# Altium PCB esp32-s3.PcbDoc
Units mil, origin at the board's own origin, x right, y up, seen from the top; angles counter-clockwise.
Board outline 1480.14 x 885.59 mil, 4 copper layers (Top Layer, GND, signal, Bottom Layer), stack 23.756 mil thick; 78 components, 92 nets, 350 pads, 273 vias.
Unrouted connection lines stored in the file: 184.
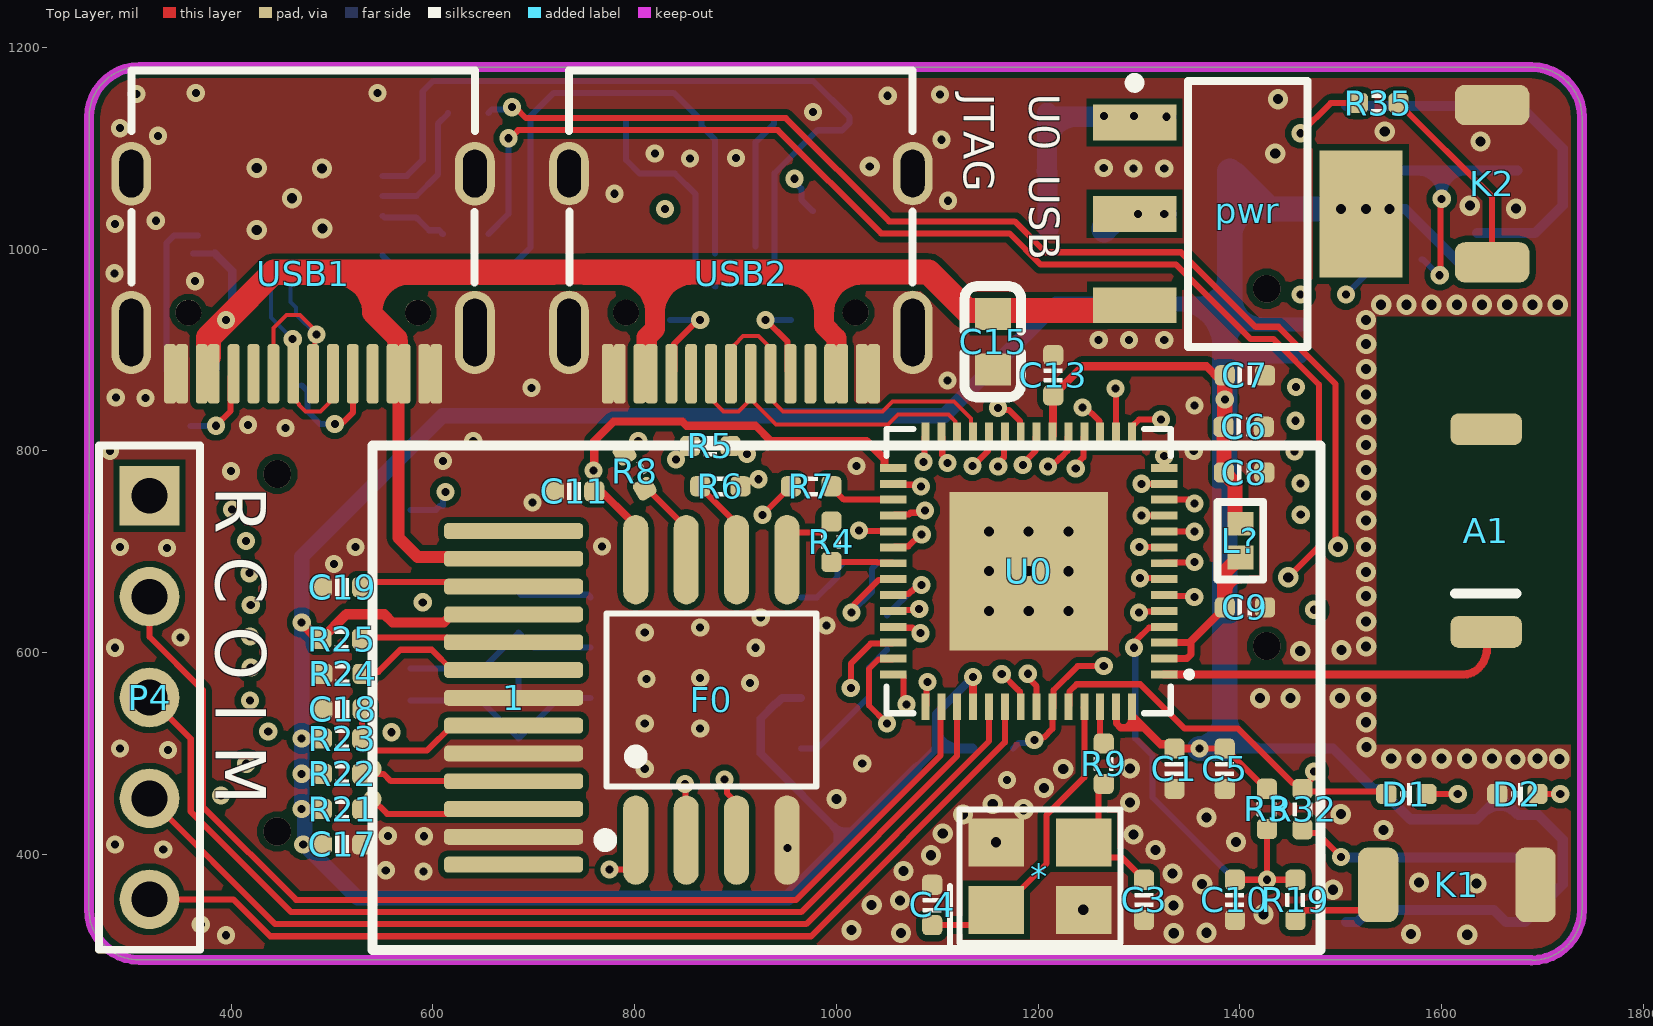
[diagram p0: Top Layer view]
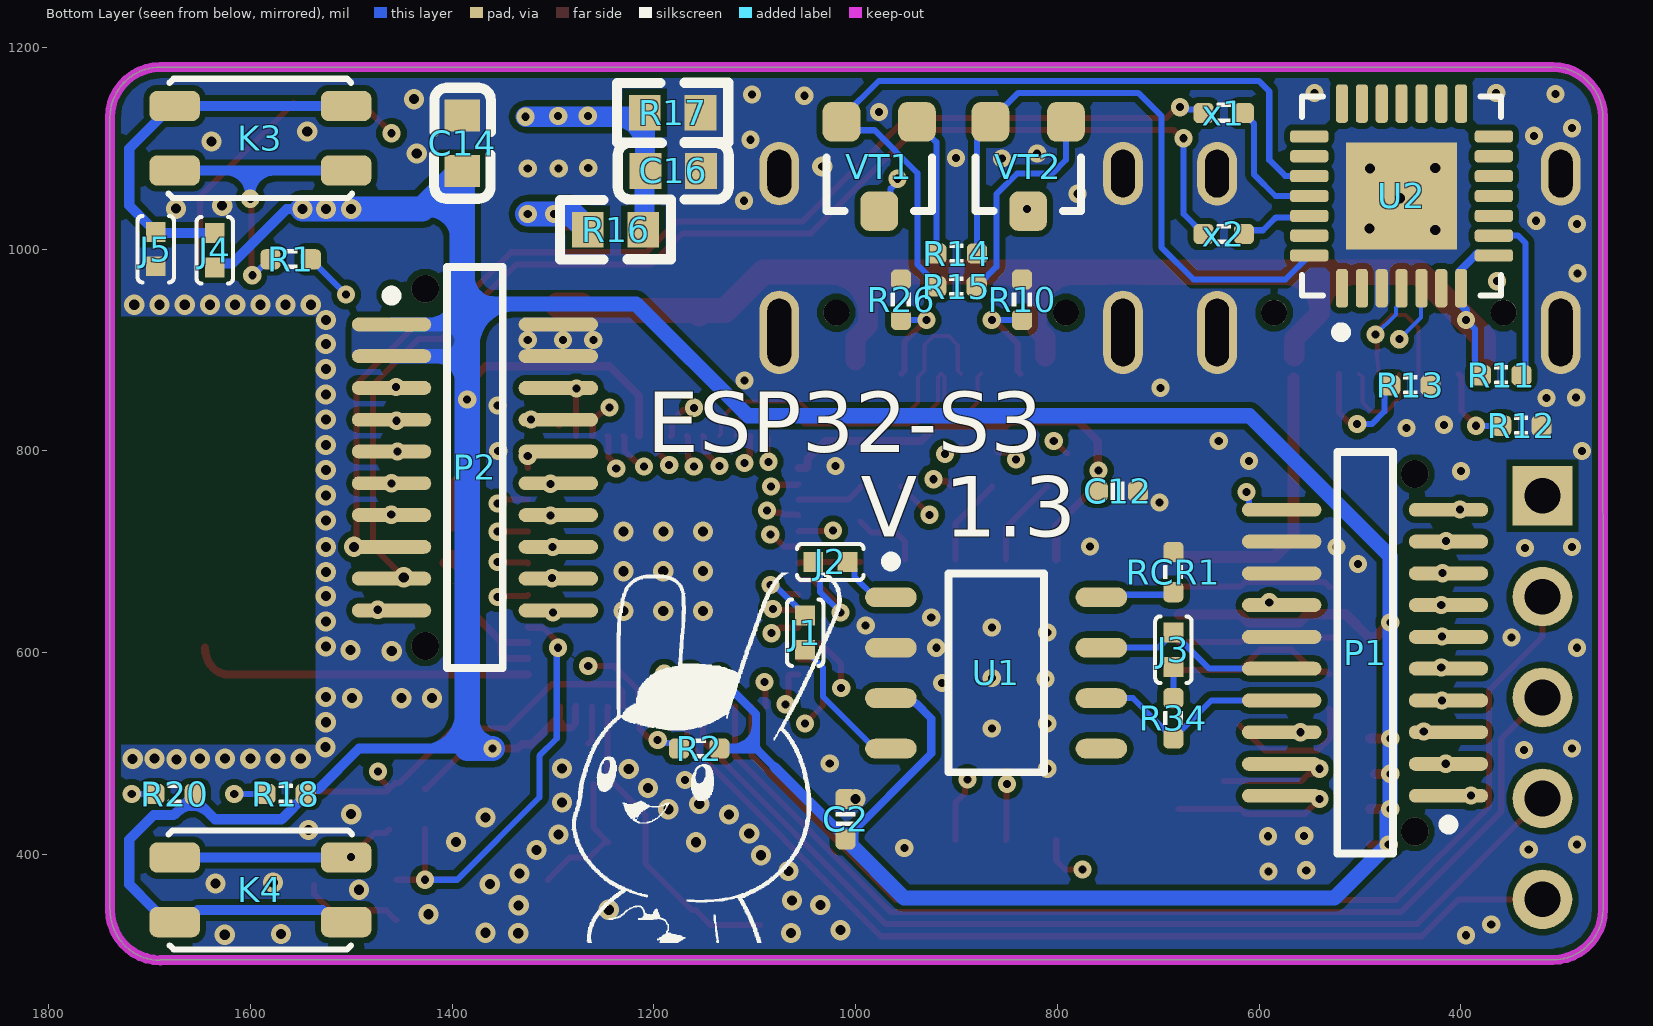
[diagram p1: Bottom Layer view, seen from below]
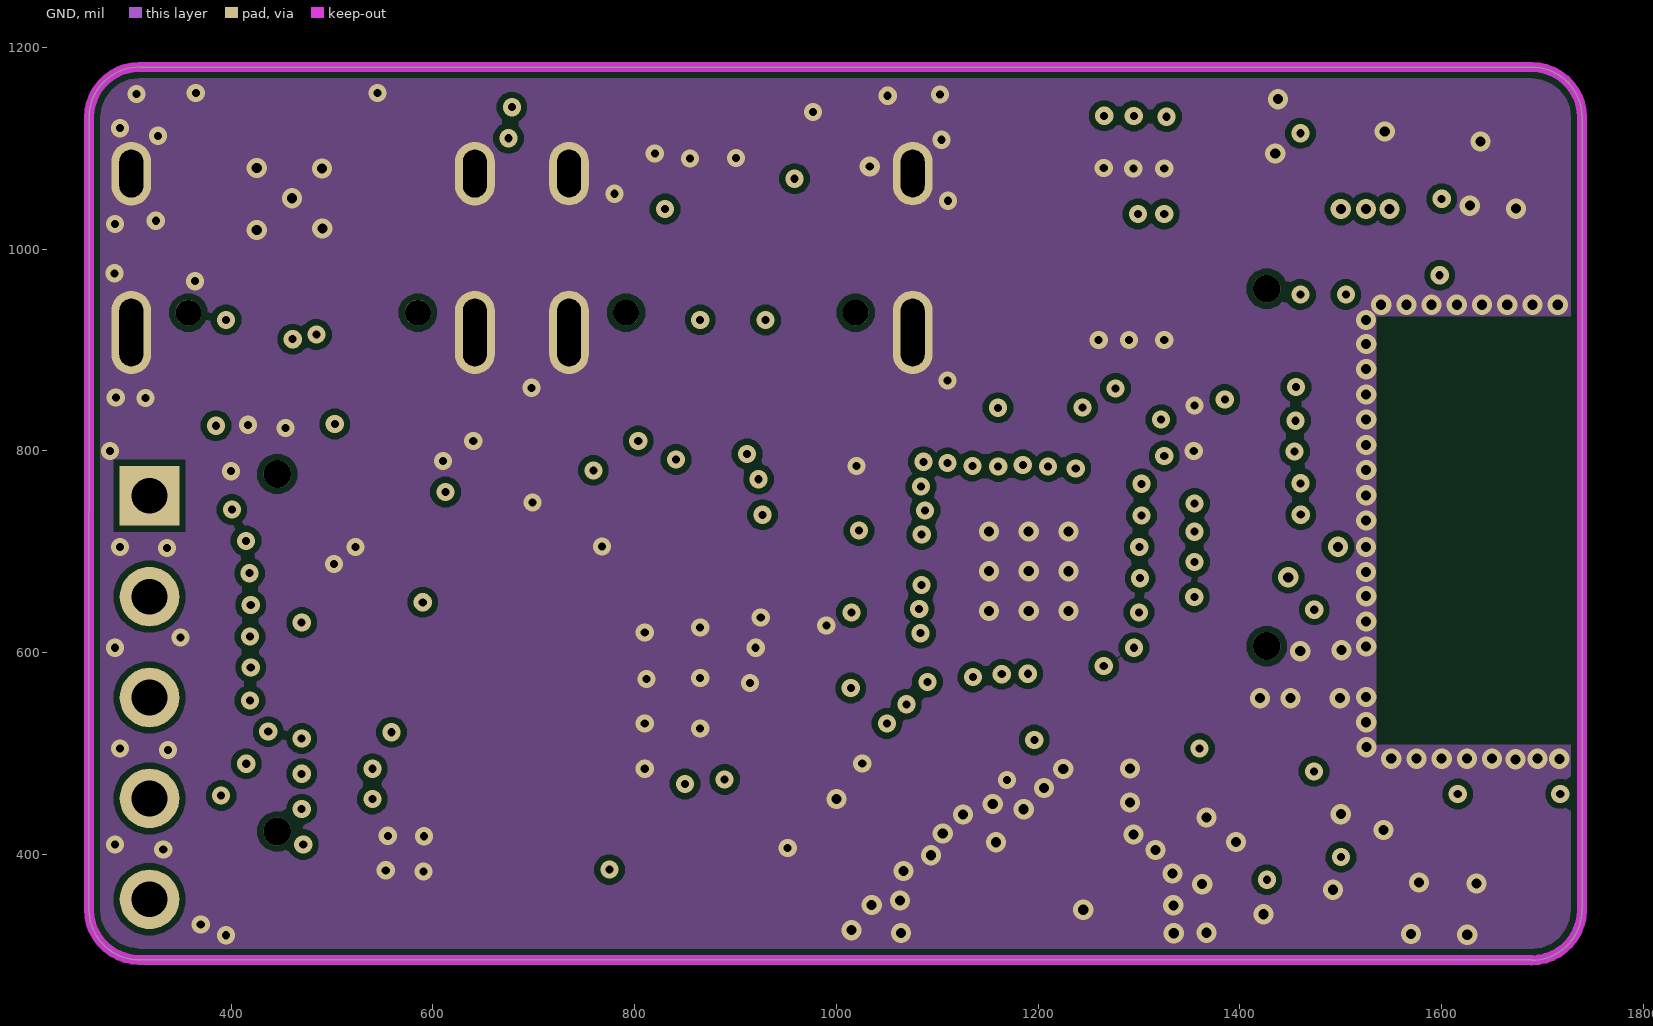
[diagram p2: GND]
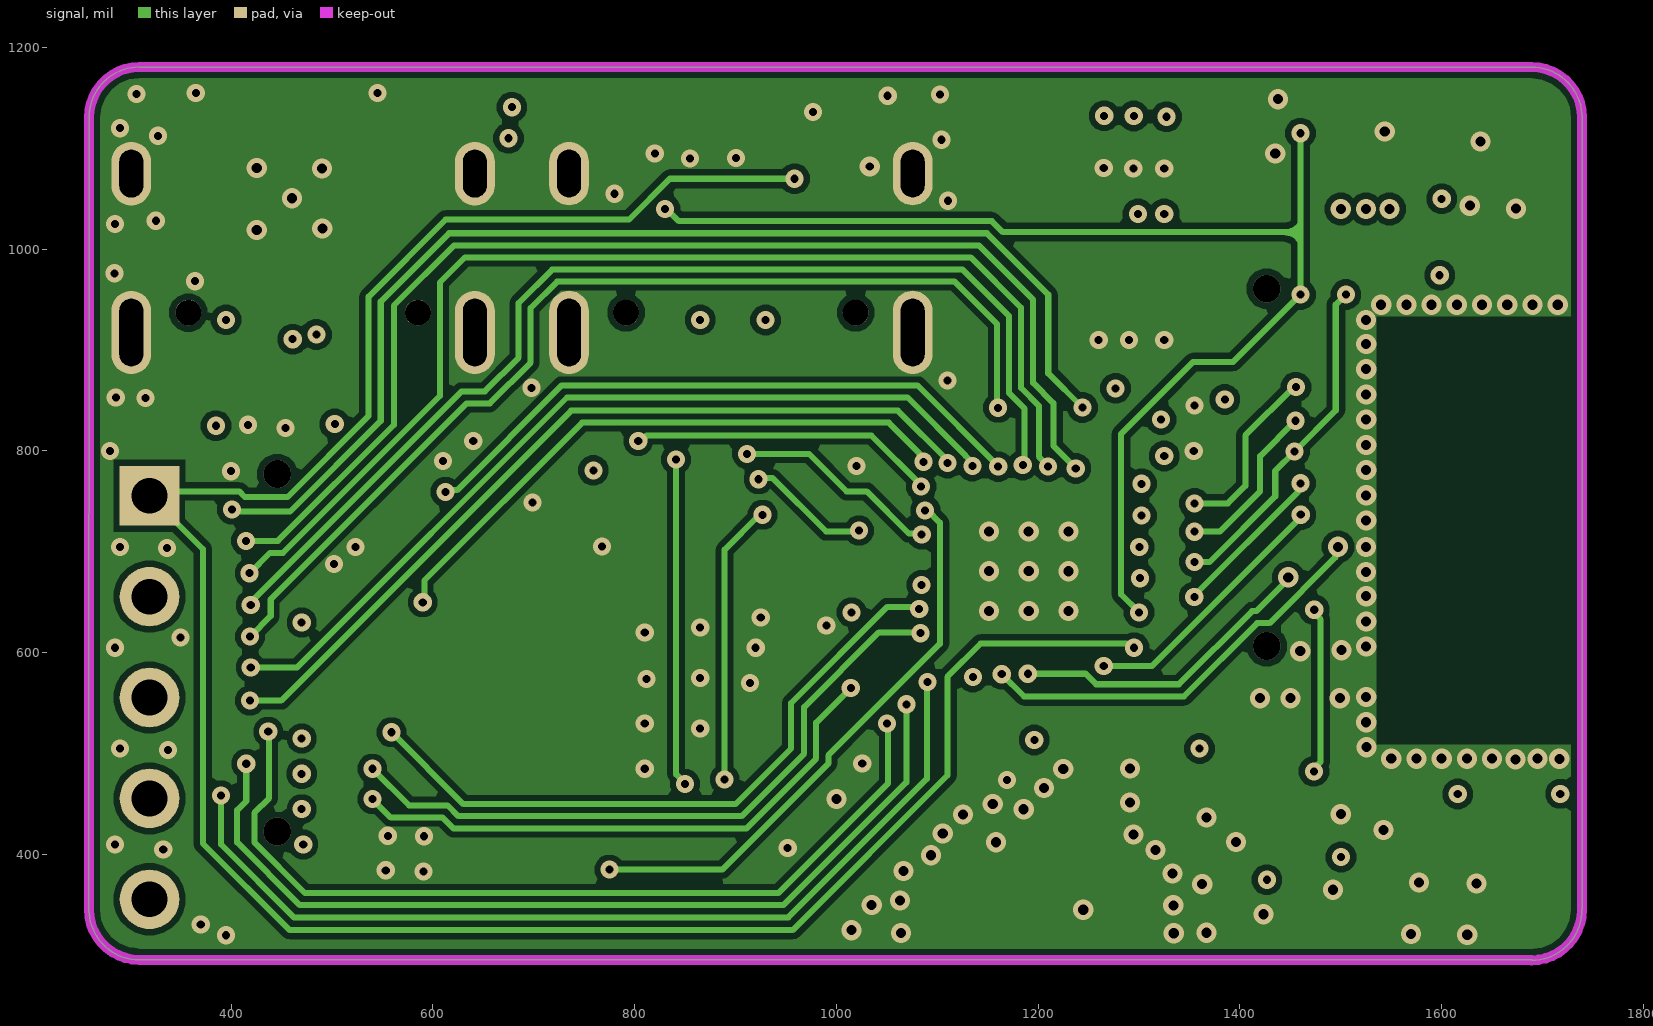
[diagram p3: signal]
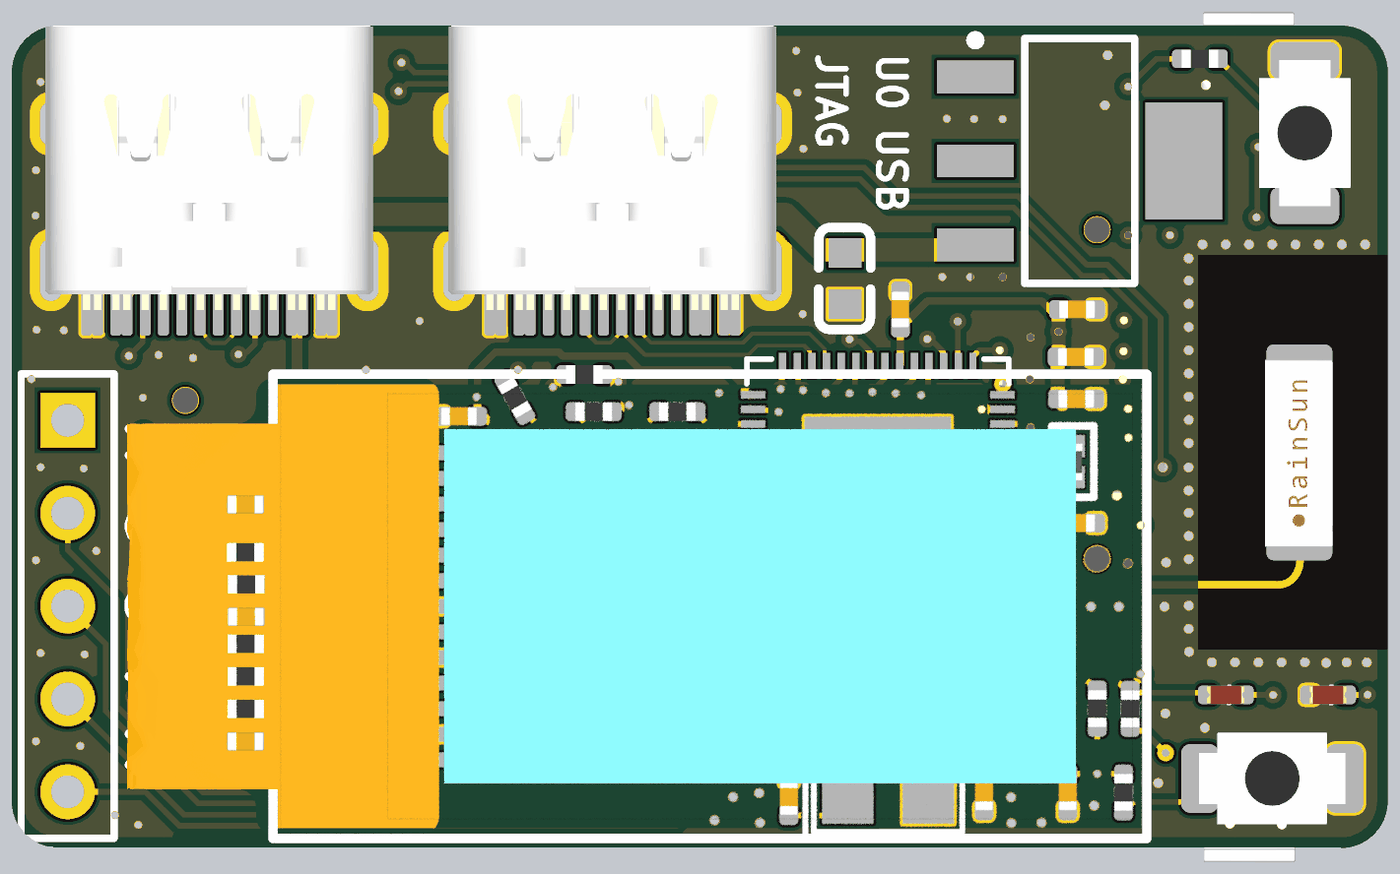
[diagram p4: 3D render of the assembled board from above, using the file's embedded part models]
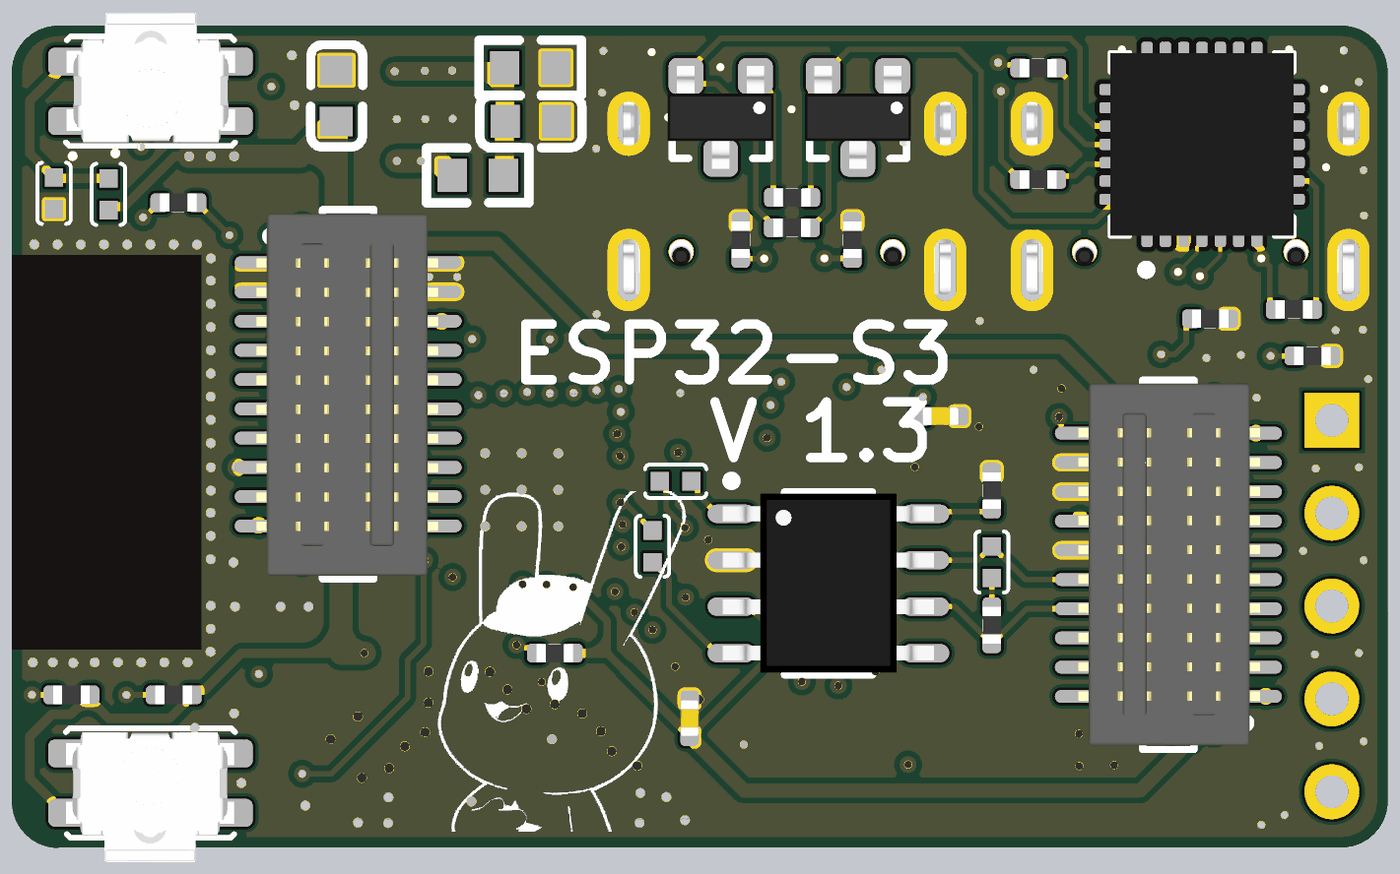
[diagram p5: 3D render of the assembled board from below, using the file's embedded part models]

## Layer stack, top to bottom
Top Solder: solder mask 0.4, Solder Resist, Dk 3.5
Top Layer: signal copper 1.4
Dielectric 1: prepreg 2.8, PP-006, Dk 4.1
GND: signal copper 1.378
Dielectric2: dielectric 12.6, FR-4, Dk 4.8
signal: signal copper 1.378
Dielectric 2: prepreg 2.8, PP-006, Dk 4.1
Bottom Layer: signal copper 1.4
Bottom Solder: solder mask 0.4, Solder Resist, Dk 3.5

## Board outline
259.04,345.63 ccw(c309.04,345.63) 309.04,295.63 1689.02,295.63 1689.02,295.15 ccw(c1689.02,345.15) 1739.02,345.15 1739.15,345.15 1739.15,1130 1739.18,1130.57 ccw(c1689.18,1130.57) 1689.18,1180.57 1689.18,1180.63 309.24,1180.63 309.24,1180.75 ccw(c309.24,1130.75) 259.24,1130.75 259.15,1130.75

## Design rules (kind name [scope] priority, off if disabled: settings)
Clearance [All] p1: gap=6 ignorepadtopadclearanceinfootprint=FALSE
ComponentClearance [All] p1: gap=0 collisioncheckmode=3 verticalgap=0 showdistances=FALSE
DiffPairsRouting [All] p1: maxlimit=9 minlimit=9 mostfreqgap=9 toplayer_minwidth=4 toplayer_maxwidth=4 toplayer_prefwidth=4 midlayer1_minwidth=4 midlayer1_maxwidth=4 midlayer1_prefwidth=4 midlayer2_minwidth=4 midlayer2_maxwidth=4 midlayer2_prefwidth=4 bottomlayer_minwidth=4 bottomlayer_maxwidth=4 bottomlayer_prefwidth=4 maxuncoupledlength=500
FanoutControl Fanout_BGA [All] p1: bgadir=Out bgaviamode=Centered fanoutstyle=Auto fanoutdirection=Alternating viagrid=1 // Fanout_BGA (Default Rule)
HoleSize [All] p1: absolutevalues=TRUE maxlimit=10000 minlimit=8 maxpercent=80.000 minpercent=20.000
MinimumSolderMaskSliver [All] p1 off: minsoldermaskwidth=2
PlaneClearance [All] p1: clearance=8
PlaneConnect [All] p1: planeconnectstyle=Direct reliefexpansion=20 reliefentries=4 reliefconductorwidth=10 reliefairgap=10
PolygonConnect [All] p1: connectstyle=Direct reliefconductorwidth=10 reliefentries=4 polygonreliefangle="90 Angle" airgapwidth=10
RoutingVias [All] p1: holewidth=8 width=18 viastyle="Through Hole" minholewidth=8 minwidth=18 maxholewidth=28 maxwidth=50
SilkToSilkClearance [All] p1: silktosilkclearance=0
SilkToSolderMaskClearance [IsPad] p1: minsilkscreentomaskgap=0 clearancetoexposedcopper=TRUE
SolderMaskExpansion [All] p1: expansion=3 istentingtop=FALSE
Width [All] p1: maxlimit=10000 minlimit=6 preferedwidth=15
21 further rules are at their usual default settings.

## Classes and differential pairs
component class main: D1 J1 J2 J3 J4 J5 K1 K2 K3 K4 P1 P2 R1 R18 R19 R32 R34 R35 RCR1 U1
component class Designator: * A1 C1 C2 C3 C4 C5 C6 C7 C8 C9 C10 C11 C12 C13 F0 L? P4 R2 R3 R4 R5 R6 R7 R8 R9 U0 x1 x2
differential pair USB: +USB_P -USB_N
differential pair USB_UART: +USB_UART_P -USB_UART_N

## Components (designator, comment, footprint, x,y, rotation, side; value= is the part's Value field where it differs from the comment)
1 "OLED-12880" OLED-12880 680,555.35 r180 top locked
* "crystal" 无源晶振 1198.39,381.93 r0 top
A1 "RAINSUN" ANT-Rainsun-AN5120 1644.15,720.63 r90 top
C1 "1uF" CAP_0402 1335,485 r90 top value=0.1u
C2 "0.1uF" CAP_0402 1010,435 r270 bottom value=0.1u
C3 "15pF" CAP_0402 1305,355 r90 top value=0.1u
C4 "15pF" CAP_0402 1095,350 r270 top value=0.1u
C5 "10nF" CAP_0402 1385,485 r90 top value=0.1u
C6 "10uF" CAP_0402 1403.66,823.95 r180 top value=0.1u
C7 "1uF" CAP_0402 1405,875 r180 top value=0.1u
C8 "0.1uF" CAP_0402 1404.13,778.65 r180 top value=0.1u
C9 "0.1uF" CAP_0402 1405,645 r180 top value=0.1u
C10 "0.1uF" CAP_0402 1395,355 r270 top value=0.1u
C11 "0.1uF" CAP_0402 740,760 r0 top value=0.1u
C12 "0.1uF" CAP_0402 740,760 r0 bottom value=0.1u
C13 "0.1uF" CAP_0402 1215,875 r270 top value=0.1u
C14 "10uF" C0603 1390,1105 r270 bottom value=0.1u
C15 "10uF" C0603 1155.32,908.36 r90 top value=0.1u
C16 "ADJ" C0603 1180.81,1077.64 r0 bottom value=0.1u
C17 "10uF" CAP_0402 510,410 r180 top value=0.1u
C18 "10uF" CAP_0402 510.48,544.09 r0 top value=0.1u
C19 "10uF" CAP_0402 510,665 r0 top value=0.1u
D1 "color?" LED_0402_RED 1565,460 r180 top
D2 "color?" LED_0402_RED 1675,460 r180 top
F0 "W25Q64JVSSIQ" W25Q64JVSSIQ 845,570 r0 top
J1 "跳线" 0402-0R 1050,620 r90 bottom
J2 "跳线" 0402-0R 1025,690 r0 bottom
J3 "跳线" 0402-0R 685,603 r270 bottom
J4 "跳线" 0402-0R 1635.23,999 r90 bottom
J5 "跳线" 0402-0R 1693.74,1000.08 r90 bottom
K1 "TACT 2P" ButtonTACT_3x4x2_180 1615,370 r180 top value=3x4
K2 "TACT 2P" ButtonTACT_3x4x2_180 1650,1065 r270 top value=3x4
K3 "TACT 4P" ButtonTACT_3.5*3.55_90 1590,1110 r180 bottom value=3.4x3.5
K4 "TACT 4P" ButtonTACT_3.5*3.55_90 1590,365 r0 bottom value=3.4x3.5
L? "2.0nH" LC-0402_L 1400.48,711.19 r270 top
P1 "Header 10X2" HEAER_0.8mm_2x10P_M 495,600 r0 bottom
P2 "Header 10X2" HEAER_0.8mm_2x10P_M 1377.32,783.74 r180 bottom
P4 "Header 5" HDR1X5 319.15,755.63 r270 top
pwr "AMS1117" SOT223_L 1407.8,1035 r0 top
R1 "1K" RES_0402 1560,990 r180 bottom value=22R
R2 "10K(NC)" RES_0402 1155,505 r180 bottom value=22R
R3 "10K" RES_0402 1426.7,445.19 r270 top value=22R
R4 "0" RES_0402 995,710 r270 top value=22R
R5 "0" RES_0402 875,805 r0 top value=22R
R6 "0" RES_0402 885,765 r0 top value=22R
R7 "0" RES_0402 975,765 r0 top value=22R
R8 "0" RES_0402 800,780 r120 top value=22R
R9 "0" RES_0402 1265,490 r270 top value=22R
R10 "5.1K" RES_0402 835,950 r90 bottom value=22R
R11 "10K" RES_0402 360,875 r180 bottom value=22R
R12 "5.1K" RES_0402 340,825 r180 bottom value=22R
R13 "5.1K" RES_0402 450,865 r180 bottom value=22R
R14 "12K" RES_0402 899.78,995.64 r0 bottom value=22R
R15 "12K" RES_0402 900,962.97 r180 bottom value=22R
R16 "TBD" R0603 1237.95,1019.39 r180 bottom value=22R
R17 "TBD" R0603 1181.4,1135.33 r180 bottom value=22R
R18 "1K" RES_0402 1565,460 r0 bottom value=22R
R19 "0R" RES_0402 1455,355 r90 top value=22R
R20 "1K" RES_0402 1675,460 r0 bottom value=22R
R21 "10K" RES_0402 510,445 r180 top value=22R
R22 "10K" RES_0402 510,480 r180 top value=22R
R23 "10K" RES_0402 510,515 r180 top value=22R
R24 "560K" RES_0402 510.48,579.09 r180 top value=22R
R25 "4.7K" RES_0402 509.62,613.59 r180 top value=22R
R26 "5.1K" RES_0402 955,950 r90 bottom value=22R
R32 "1K" RES_0402 1462.17,444.97 r90 top value=22R
R34 "120R" RES_0402 685,535 r270 bottom value=22R
R35 "1K" RES_0402 1537.16,1144.9 r180 top value=22R
RCR1 "10k(NC)" RES_0402 685,680 r90 bottom value=22R
U0 "esp32-s3" esp32-s3 1202.63,678.09 r180 top
U1 "SN65HVD232D" SO-8 860.67,580 r180 bottom
U2 "CP2102" QFN-28 458.81,1052.78 r90 bottom value=Value
USB1 "Type-C" Type-C-TOP 471.42,975.71 r90 top
USB2 "Type-C" Type-C-TOP 905.28,975.79 r90 top
VT1 "S8050" SMT_TRIODE_NPN 976.59,1082 r0 bottom
VT2 "S8050" SMT_TRIODE_NPN 828.92,1082 r0 bottom
x1 "499" RES_0402 635,1135 r0 bottom value=22R
x2 "499" RES_0402 635,1015 r0 bottom value=22R

## Footprints (in the part's own frame and the unit in brackets; to place one, negate y for a bottom-side part, rotate by r counter-clockwise, add the part's x,y. Pads: shape width x height; smd on the part's side, far side on the other; paste and mask are expansions set on the pad)
0402-0R [mm]
  rect 0.5x0.5 smd: 1(-0.432,0) 2(0.432,0)
  silkscreen extent -0.84,-0.46 0.84,0.46
ANT-Rainsun-AN5120 [mm]
  rrect50% 0.8x1.8 smd: 1(-2.54,0) ""(2.563,0)
  silkscreen extent -1.57,-0.76 -1.57,0.79, body extent -2.57,-0.91 2.54,0.94, height 1.32
ButtonTACT_3.5*3.55_90 [mil]
  rrect50% 50x30 smd: 1(-85,32) 2(-85,-32) 3(85,32) 4(85,-32)
  silkscreen extent -91,-59 91,59, body extent -90,-55 91,85, height 56
ButtonTACT_3x4x2_180 [mil]
  rrect50% 40x74 smd: 1(-78,0) 2(78,0)
  body extent -79,-49 79,49, height 63
C0603 [mm]
  rect 0.8x0.9 smd: 1(-0.7,0) 2(0.7,0)
  silkscreen extent -1.4,-0.7 1.4,0.72
CAP_0402 [mil]
  rrect50% 20x20 smd: 1(-20,0) 2(20,0)
  silkscreen extent -7,-9 7,9, body extent -20,-10 20,10, height 20
esp32-s3 [mm]
  rect 0.665x0.2 smd: 1(-3.103,2.53) 2(-3.103,2.13) 3(-3.103,1.73) 4(-3.103,1.33) 5(-3.103,0.93) 6(-3.103,0.53) 7(-3.103,0.13) 8(-3.103,-0.27) 9(-3.103,-0.67) 10(-3.103,-1.07) 11(-3.103,-1.47) 12(-3.103,-1.87) 13(-3.103,-2.27) 14(-3.103,-2.67) 29(3.712,-2.67) 30(3.712,-2.27) 31(3.712,-1.87) 32(3.712,-1.47) 33(3.712,-1.07) 34(3.712,-0.67) 35(3.712,-0.27) 36(3.712,0.13) 37(3.712,0.53) 38(3.712,0.93) 39(3.712,1.33) 40(3.712,1.73) 41(3.712,2.13) 42(3.712,2.53)
  rect 0.2x0.665 smd: 15(-2.295,-3.478) 16(-1.895,-3.478) 17(-1.495,-3.478) 18(-1.095,-3.478) 19(-0.695,-3.478) 20(-0.295,-3.478) 21(0.105,-3.478) 22(0.505,-3.478) 23(0.905,-3.478) 24(1.305,-3.478) 25(1.705,-3.478) 26(2.105,-3.478) 27(2.505,-3.478) 28(2.905,-3.478) 43(2.905,3.338) 44(2.505,3.338) 45(2.105,3.338) 46(1.705,3.338) 47(1.305,3.338) 48(0.905,3.338) 49(0.505,3.338) 50(0.105,3.338) 51(-0.295,3.338) 52(-0.695,3.338) 53(-1.095,3.338) 54(-1.495,3.338) 55(-1.895,3.338) 56(-2.295,3.338)
  rect 4x4 smd: 57(0.305,-0.07)
  silkscreen extent -3.81,-3.65 3.88,3.51
HDR1X5 [mm] "Connector; Header; 5 Position"
  rect 1.5x1.5 hole 0.9: 1(0,0)
  round 1.5 hole 0.9: 2(2.54,0) 3(5.08,0) 4(7.62,0) 5(10.16,0)
  silkscreen extent -1.27,-1.27 11.43,1.27
HEAER_0.8mm_2x10P_M [mm] "底座，20*2P,公座"
  oval 2x0.35 smd: 1(-2.1,3.6) 2(-2.1,2.8) 3(-2.1,2) 4(-2.1,1.2) 5(-2.1,0.4) 6(-2.1,-0.4) 7(-2.1,-1.2) 8(-2.1,-2) 9(-2.1,-2.8) 10(-2.1,-3.6) 11(2.1,-3.6) 12(2.1,-2.8) 13(2.1,-2) 14(2.1,-1.2) 15(2.1,-0.4) 16(2.1,0.4) 17(2.1,1.2) 18(2.1,2) 19(2.1,2.8) 20(2.1,3.6)
  silkscreen extent -2.22,-5.05 0.7,5.05, body extent -2.51,-4.96 2.45,4.94, height 6
LC-0402_L [mm]
  rect 0.6x0.65 smd mask+0.051: 1(-0.425,0) 2(0.425,0)
  silkscreen extent -0.97,-0.58 0.97,0.58, body extent -0.51,-0.26 0.54,0.26, height 0.36
LED_0402_RED [mil]
  rrect50% 20x20 smd: 1(-20,0) 2(20,0)
  silkscreen extent -6,-10 6,10, body extent -20,-10 20,10, height 18
OLED-12880 [mm]
  rrect50% 3.5x0.4 smd: 1(0,-4.2) 2(0,-3.5) 3(0,-2.8) 4(0,-2.1) 5(0,-1.4) 6(0,-0.7) 7(0,0) 8(0,0.7) 9(0,1.4) 10(0,2.1) 11(0,2.8) 12(0,3.5) 13(0,4.2)
  silkscreen extent -20.32,-6.35 3.56,6.35, body extent -20.18,-6.25 7.54,6.25, height 1.55
QFN-28 [mil]
  rrect50% 38x12 smd mask+5: 1(-91.5,59.06) 2(-91.5,39.37) 3(-91.5,19.69) 4(-91.5,0) 5(-91.5,-19.68) 6(-91.5,-39.37) 7(-91.5,-59.06) 15(91.5,-59.06) 16(91.5,-39.37) 17(91.5,-19.68) 18(91.5,0) 19(91.5,19.69) 20(91.5,39.37) 21(91.5,59.06)
  rrect50% 12x38 smd mask+5: 8(-59.06,-91.5) 9(-39.37,-91.5) 10(-19.68,-91.5) 11(0,-91.5) 12(19.69,-91.5) 13(39.37,-91.5) 14(59.06,-91.5) 22(59.06,91.5) 23(39.37,91.5) 24(19.69,91.5) 25(0,91.5) 26(-19.68,91.5) 27(-39.37,91.5) 28(-59.06,91.5)
  rect 106.3x110.24 smd: 29(0,0)
  silkscreen extent -140,-98 98,98, body extent -99,-99 98,98, height 35
R0603 [mm]
  rect 0.8x0.9 smd: 1(-0.7,0) 2(0.7,0)
  silkscreen extent -1.4,-0.75 1.4,0.76
RES_0402 [mil]
  rrect50% 20x20 smd: 1(-20,0) 2(20,0)
  silkscreen extent -7,-10 7,10, body extent -20,-10 20,10, height 14